# Altium PCB volt_sensor.PcbDoc (part 1 of 2)
Units mil, origin at the board's own origin, x right, y up, seen from the top; angles counter-clockwise.
Board outline 10000 x 5000 mil, 2 copper layers (Top Layer, Bottom Layer); 198 components, 109 nets, 532 pads, 65 vias.
Unrouted connection lines stored in the file: 125.
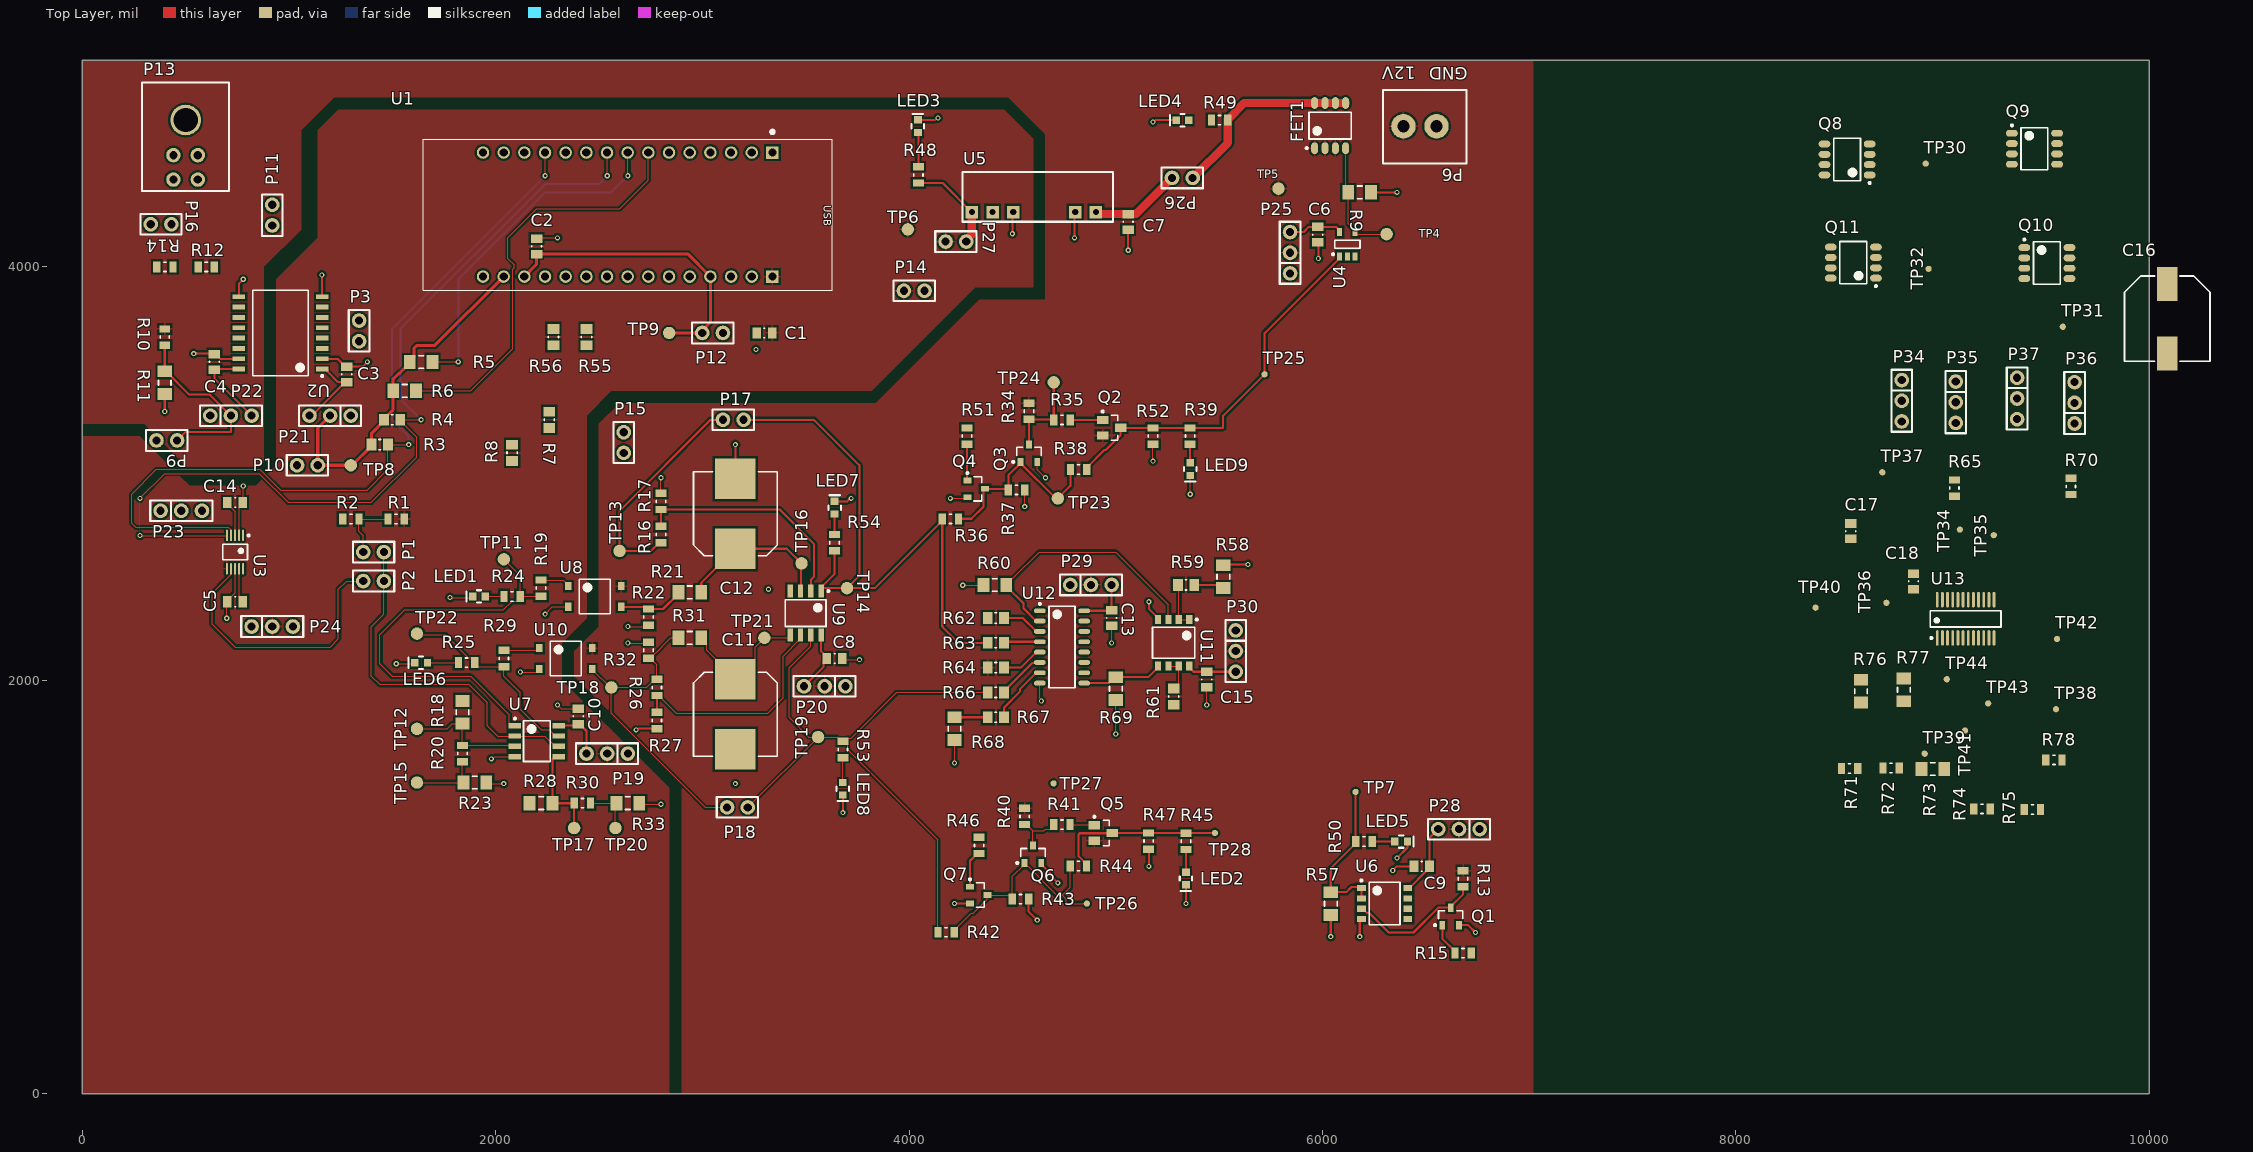
[diagram p0: Top Layer view]
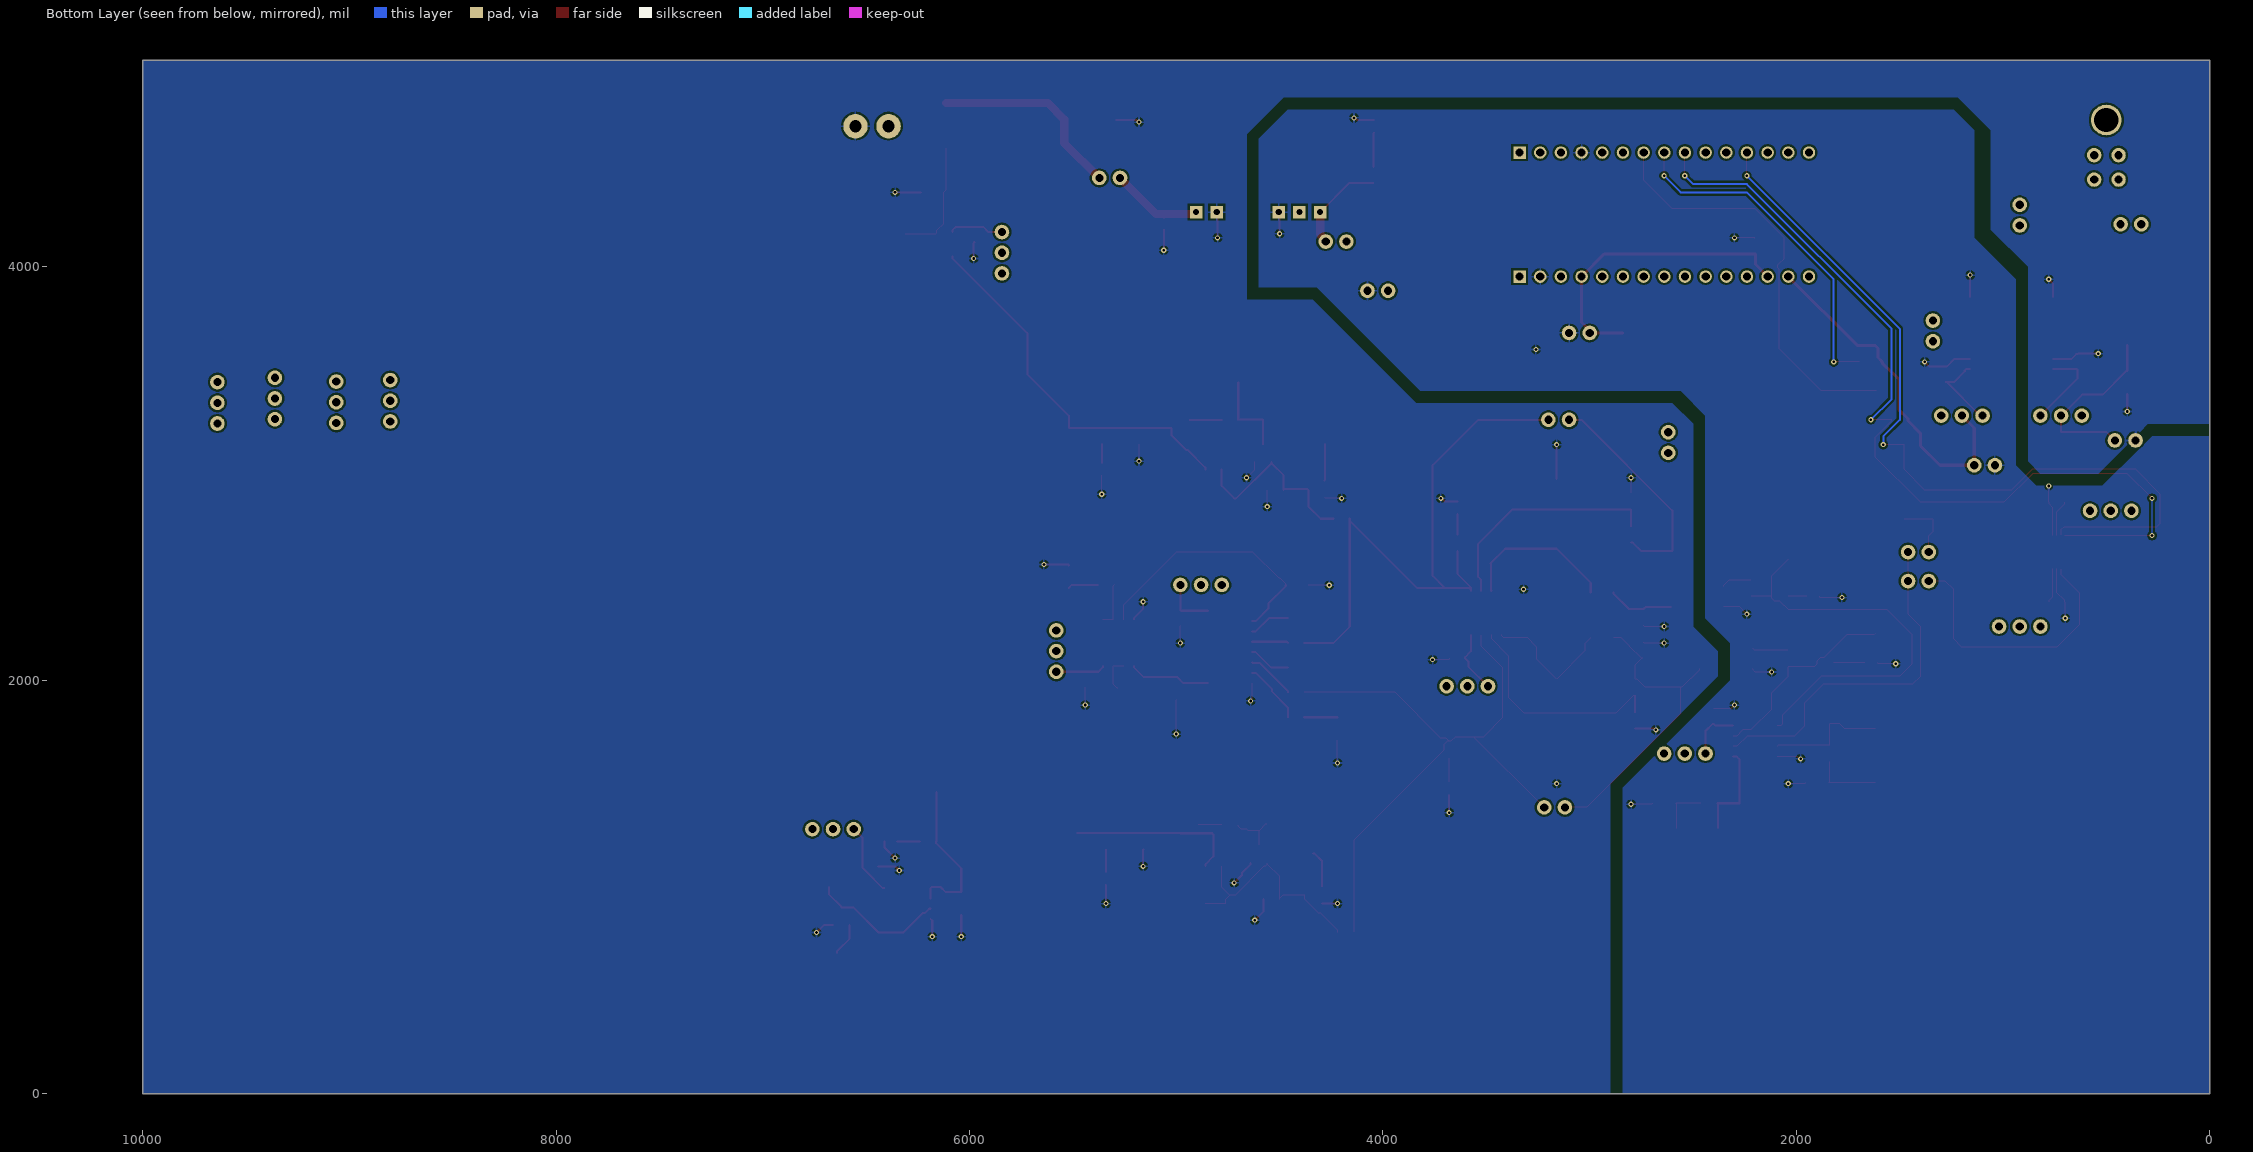
[diagram p1: Bottom Layer view, seen from below]

## Layer stack, top to bottom
Top Solder: solder mask 0.4, Solder Resist, Dk 3.5
Top Layer: signal copper 1.4
Dielectric 1: dielectric 12.6, FR-4, Dk 4.8
Bottom Layer: signal copper 1.4
Bottom Solder: solder mask 0.4, Solder Resist, Dk 3.5

## Board outline
0,0 10000,0 10000,5000 0,5000

## Design rules (kind name [scope] priority, off if disabled: settings)
Clearance [All] p1: gap=10 ignorepadtopadclearanceinfootprint=FALSE except(0: Arc-Hole Track-Hole SMDPad-Hole THPad-Hole Via-Hole Fill-Hole Poly-Hole Region-Hole Text-Hole; 7.5: SMDPad-SMDPad)
DiffPairsRouting [All] p1: maxlimit=10 minlimit=10 mostfreqgap=10 toplayer_minwidth=15 toplayer_maxwidth=15 toplayer_prefwidth=15 bottomlayer_minwidth=15 bottomlayer_maxwidth=15 bottomlayer_prefwidth=15 maxuncoupledlength=500
PolygonConnect [All] p1: connectstyle=Relief reliefconductorwidth=10 reliefentries=4 polygonreliefangle="90 Angle" airgapwidth=10
RoomDefinition latch [InComponentClass('latch')] p1: confinementstyle=ConfineIn formatcopy=TRUE lockcomponents=FALSE outline 4019.37,581.26 5940,581.26 5940,3741.26 4019.37,3741.26
RoomDefinition voltage_sense [InComponentClass('voltage_sense')] p2: confinementstyle=ConfineIn formatcopy=TRUE lockcomponents=FALSE outline 1480,2280 1480,1200 3760,1200 3760,3380 3060,3380 2300,2620 1820,2620
RoomDefinition digital [InComponentClass('digital') vs False] p3: confinementstyle=ConfineIn formatcopy=TRUE lockcomponents=FALSE outline 0,5000 0,2080 1440,2080 1440,2260 1820,2640 2300,2640 3060,3400 3800,3400 3800,5000
RoomDefinition "12V dc-dc converter" [InComponentClass('12V dc-dc converter')] p4: confinementstyle=ConfineIn formatcopy=TRUE lockcomponents=FALSE outline 6955.51,3808 3855.51,3808 3855.51,4988 6955.51,4988
RoomDefinition powerpath_controller [InComponentClass('powerpath_controller')] p5: confinementstyle=ConfineIn formatcopy=TRUE lockcomponents=FALSE outline 8274.75,1086 10384.75,1086 10384.75,5015 8274.75,5015
RoomDefinition inverter [InComponentClass('inverter')] p6: confinementstyle=ConfineIn formatcopy=TRUE lockcomponents=FALSE outline 5960,600 6920,600 6920,1640 5960,1640
RoutingVias [All] p1: holewidth=13 width=25 viastyle="Through Hole" minholewidth=13 minwidth=25 maxholewidth=28 maxwidth=50
SilkToSilkClearance [All] p1 off: silktosilkclearance=10
SilkToSolderMaskClearance [IsPad] p1 off: minsilkscreentomaskgap=10 clearancetoexposedcopper=TRUE
SolderMaskExpansion [All] p1: expansion=4 istentingtop=FALSE
Width [All] p1: maxlimit=40 minlimit=6 preferedwidth=6 bottomlayer_maxwidth=10 minimp=50.000000 maximp=50.000000 favimp=50.000000
27 further rules are at their usual default settings.

## Classes and differential pairs
component class powerpath_controller: C16 C17 C18 P34 P35 P36 P37 Q8 Q9 Q10 Q11 R65 R70 R71 R72 R73 R74 R75 R76 R77 R78 TP30 TP31 TP32 TP34 TP35 TP36 TP37 TP38 TP39 TP40 TP41 TP42 TP43 TP44 U13
component class digital: C1 C2 C3 C4 C5 C14 P1 P2 P3 P9 P10 P11 P12 P13 P15 P16 P21 P22 P23 P24 R1 R2 R3 R4 R5 R6 R7 R8 R10 R11 R12 R14 R55 R56 TP8 TP9 U1 U2 U3
component class inverter: C9 LED5 P28 Q1 R13 R15 R50 R57 TP7 U6
component class "12V dc-dc converter": C6 C7 FET1 LED3 LED4 P6 P14 P25 P26 P27 R9 R48 R49 TP4 TP5 TP6 U4 U5
component class latch: C13 C15 LED2 LED9 P29 P30 Q2 Q3 Q4 Q5 Q6 Q7 R34 R35 R36 R37 R38 R39 R40 R41 R42 R43 R44 R45 R46 R47 R51 R52 R58 R59 R60 R61 R62 R63 R64 R66 R67 R68 R69 TP23 TP24 TP25 TP26 TP27 TP28 U11 U12
component class voltage_sense: C8 C10 C11 C12 LED1 LED6 LED7 LED8 P17 P18 P19 P20 R16 R17 R18 R19 R20 R21 R22 R23 R24 R25 R26 R27 R28 R29 R30 R31 R32 R33 R53 R54 TP11 TP12 TP13 TP14 TP15 TP16 TP17 TP18 TP19 TP20 TP21 TP22 U7 U8 U9 U10
differential pair CAN: +CAN_P -CAN_N

## Components (designator, comment, footprint, x,y, rotation, side; value= is the part's Value field where it differs from the comment)
C1 "GCM21BR71A106KE22L" SMD-0805C 3300,3680 r180 top value=10µF
C2 "GCM21BR71A106KE22L" SMD-0805C 2198.39,4099.02 r90 top value=10µF
C3 "GCM21BR71A106KE22L" SMD-0805C 1280,3480 r90 top value=10µF
C4 "GCM21BR71A106KE22L" SMD-0805C 640,3540 r90 top value=10µF
C5 "GCM21BR71A106KE22L" SMD-0805C 740,2380 r180 top value=10µF
C6 "GCM21BR71A106KE22L" SMD-0805C 5977,4156 r90 top value=10µF
C7 "GCM21BR71A106KE22L" SMD-0805C 5060,4217.4 r270 top value=10µF
C8 "GCM21BR71A106KE22L" SMD-0805C 3640,2105.37 r0 top value=10µF
C9 "GCM21BR71A106KE22L" SMD-0805C 6480,1100 r180 top value=10µF
C10 "GCM21BR71A106KE22L" SMD-0805C 2400,1825.37 r90 top value=10µF
C11 "PCR1J101MCL1GS" CAPAE110103X126M 3160,1836.08 r270 top value=100µF
C12 "PCR1J101MCL1GS" CAPAE110103X126M 3160,2805.37 r90 top value=100µF
C13 "GCM21BR71A106KE22L" SMD-0805C 4980,2301.26 r270 top value=10µF
C14 "GCM21BR71A106KE22L" SMD-0805C 740,2860 r0 top value=10µF
C15 "GCM21BR71A106KE22L" SMD-0805C 5440,2003.86 r90 top value=10µF
C16 "GYB1E331MCW1GS" CAPAE110103X110N 10085.75,3749 r270 top
C17 "0.10µF" SMD-0805C 8554.75,2721 r90 top
C18 "0.10µF" SMD-0805C 8858.75,2478 r90 top
FET1 "RS3L110ATTB1" RS3L110AT 6037,4683 r90 top
LED1 "LED RED" "LED 0603 ORANGE" 1920,2405.37 r180 top
LED2 "MPS_CLOSE_MPPT" "LED 0603 ORANGE" 5339.37,1041.26 r270 top
LED3 "LED RED" "LED 0603 ORANGE" 4043,4680 r90 top
LED4 "LED RED" "LED 0603 ORANGE" 5322.51,4709 r180 top
LED5 "LED RED" "LED 0603 ORANGE" 6380.63,1220 r0 top
LED6 "LED RED" "LED 0603 ORANGE" 1640,2085.37 r180 top
LED7 "LED RED" "LED 0603 ORANGE" 3640,2834.86 r90 top
LED8 "LED RED" "LED 0603 ORANGE" 3680,1475.49 r270 top
LED9 "MPS_CLOSE_MC" "LED 0603 ORANGE" 5360,3021.26 r270 top
P1 "Header 2" "Pin Header 1x2 TH Pitch 2.54mm" 1360,2620 r0 top
P2 "Header 2" "Pin Header 1x2 TH Pitch 2.54mm" 1360,2480 r0 top
P3 "Header 2" "Pin Header 1x2 TH Pitch 2.54mm" 1340,3740 r270 top
P6 "Screw Terminal 2x1" "2POS TERM BLOCK" 6391.51,4680 r0 top
P9 "Header 2" "Pin Header 1x2 TH Pitch 2.54mm" 360,3160 r0 top
P10 "Header 2" "Pin Header 1x2 TH Pitch 2.54mm" 1040,3040 r0 top
P11 "Header 2" "Pin Header 1x2 TH Pitch 2.54mm" 920,4300 r270 top
P12 "Header 2" "Pin Header 1x2 TH Pitch 2.54mm" 3100,3680 r180 top
P13 "43045-0400" 430450400 501,4710 r180 top
P14 "Header 2" "Pin Header 1x2 TH Pitch 2.54mm" 4075,3884 r180 top
P15 "Header 2" "Pin Header 1x2 TH Pitch 2.54mm" 2620,3100 r90 top
P16 "Header 2" "Pin Header 1x2 TH Pitch 2.54mm" 332,4206 r0 top
P17 "Header 2" "Pin Header 1x2 TH Pitch 2.54mm" 3100,3260 r0 top
P18 "Header 2" "Pin Header 1x2 TH Pitch 2.54mm" 3120,1385.37 r0 top
P19 "Header 3" "Pin Header 1x3 TH Pitch 2.54mm" 2640,1645.37 r180 top
P20 "Header 3" "Pin Header 1x3 TH Pitch 2.54mm" 3692,1971.37 r180 top
P21 "Header 3" "Pin Header 1x3 TH Pitch 2.54mm" 1300,3280 r180 top
P22 "Header 3" "Pin Header 1x3 TH Pitch 2.54mm" 620,3280 r0 top
P23 "Header 3" "Pin Header 1x3 TH Pitch 2.54mm" 380,2820 r0 top
P24 "Header 3" "Pin Header 1x3 TH Pitch 2.54mm" 820,2260 r0 top
P25 "Header 3" "Pin Header 1x3 TH Pitch 2.54mm" 5843,3968 r90 top
P26 "Header 2" "Pin Header 1x2 TH Pitch 2.54mm" 5272,4430 r0 top
P27 "Header 2" "Pin Header 1x2 TH Pitch 2.54mm" 4177,4122 r0 top
P28 "Header 3" "Pin Header 1x3 TH Pitch 2.54mm" 6760,1280 r180 top
P29 "Header 3" "Pin Header 1x3 TH Pitch 2.54mm" 4780,2461.26 r0 top
P30 "Header 3" "Pin Header 1x3 TH Pitch 2.54mm" 5580,2241.26 r270 top
P34 "Header 3" "Pin Header 1x3 TH Pitch 2.54mm" 8801.75,3452 r270 top
P35 "Header 3" "Pin Header 1x3 TH Pitch 2.54mm" 9062.75,3445 r270 top
P36 "Header 3" "Pin Header 1x3 TH Pitch 2.54mm" 9637.75,3242 r90 top
P37 "Header 3" "Pin Header 1x3 TH Pitch 2.54mm" 9359.75,3463 r270 top
Q1 "MMBT100" SOTFL103P240X110-3N 6685,792.68 r90 top
Q2 "MMBT3906" FAIR-SOT23-3_V 4980,3221.26 r0 top
Q3 "MMBT100" SOTFL103P240X110-3N 4645,3033.94 r90 top
Q4 "MMBT100" SOTFL103P240X110-3N 4260,2861.26 r0 top
Q5 "MMBT3906" FAIR-SOT23-3_V 4939.37,1261.26 r0 top
Q6 "MMBT100" SOTFL103P240X110-3N 4664.37,1093.94 r90 top
Q7 "MMBT100" SOTFL103P240X110-3N 4272.05,896.26 r0 top
Q8 "RS3L110ATTB1" RS3L110AT 8537.5,4519 r180 top
Q9 "RS3L110ATTB1" RS3L110AT 9443.75,4571 r0 top
Q10 "RS3L110ATTB1" RS3L110AT 9503.75,4018 r0 top
Q11 "RS3L110ATTB1" RS3L110AT 8567.5,4020 r180 top
R1 "ERJ-6GEYJ752V" SMD-0805-RES 1519.37,2780 r0 top value=7.5k
R2 "ERJ-6ENF1332V" SMD-0805-RES 1300,2780 r180 top value=13.3k
R3 "Resistor 0R +/- 5% 0805 125 mW" RESC2013X60X35ML10T20 1440,3140 r180 top value=0
R4 "Resistor 0R +/- 5% 0805 125 mW" RESC2013X60X35ML10T20 1500,3260 r180 top value=0
R5 "ERJ-P08J103V" SMD-1206-RES 1640,3540 r180 top value=10k
R6 "ERJ-P08J103V" SMD-1206-RES 1560,3400 r180 top value=10k
R7 "Resistor 0R +/- 5% 0805 125 mW" RESC2013X60X35ML10T20 2260,3260 r270 top value=0
R8 "Resistor 0R +/- 5% 0805 125 mW" RESC2013X60X35ML10T20 2080,3100 r90 top value=0
R9 "ERJ-8ENF1002V" SMD-1206-RES 6180,4360 r180 top value=10k
R10 "ERJ-P6WJ182V" SMD-0805-RES 400,3660 r270 top value=1.8k
R11 "ERJ-8ENF1301V" SMD-1206-RES 400,3440 r270 top value=1.3k
R12 "ERJ-6ENF60R4V" SMD-0805-RES 600.63,4000 r180 top value=60.4
R13 "ERJ-P06F1001V" SMD-0805-RES 6680,1040 r270 top value=1k
R14 "ERJ-6ENF60R4V" SMD-0805-RES 400.63,4000 r0 top value=60.4
R15 "ERJ-P06F1001V" SMD-0805-RES 6680,680 r0 top value=1k
R16 "ERJ-6ENF6651V" SMD-0805-RES 2800,2705.37 r270 top value=6.65k
R17 "ERJ-6ENF1332V" SMD-0805-RES 2800,2865.37 r90 top value=13.3k
R18 "ERJ-8ENF9092V" SMD-1206-RES 1840,1845.37 r90 top value=90.9k
R19 "ERJ-P06F1001V" SMD-0805-RES 2220,2445.37 r90 top value=1k
R20 "ERJ-6GEYJ752V" SMD-0805-RES 1840,1645.37 r90 top value=7.5k
R21 "ERJ-8ENF6202V" SMD-1206-RES 2940,2425.37 r0 top value=62k
R22 "ERJ-P06F1001V" SMD-0805-RES 2740,2305.37 r90 top value=1k
R23 "ERJ-8ENF2551V" SMD-1206-RES 1900,1505.37 r180 top value=2.55k
R24 "ERJ-P06J511V" SMD-0805-RES 2080,2405.37 r0 top value=510
R25 "ERJ-P06J511V" SMD-0805-RES 1860,2085.37 r0 top value=510
R26 "ERJ-6ENF6651V" SMD-0805-RES 2780,1965.37 r90 top value=6.65k
R27 "ERJ-6ENF1332V" SMD-0805-RES 2780,1805.37 r90 top value=13.3k
R28 "ERJ-8ENF9092V" SMD-1206-RES 2220,1405.37 r180 top value=90.9k
R29 "ERJ-P06F1001V" SMD-0805-RES 2040,2105.37 r90 top value=1k
R30 "ERJ-6GEYJ752V" SMD-0805-RES 2420,1405.37 r180 top value=7.5k
R31 "ERJ-8ENF6202V" SMD-1206-RES 2940,2205.37 r0 top value=62k
R32 "ERJ-P06F1001V" SMD-0805-RES 2740,2145.37 r270 top value=1k
R33 "ERJ-8ENF2551V" SMD-1206-RES 2640,1405.37 r180 top value=2.55k
R34 "ERJ-P06F1001V" SMD-0805-RES 4580,3301.26 r90 top value=1k
R35 "ERJ-P06F1001V" SMD-0805-RES 4740,3260 r180 top value=1k
R36 "ERJ-6ENF3601V" SMD-0805-RES 4200,2781.26 r0 top value=3.6k
R37 "ERJ-6ENF3602V" SMD-0805-RES 4520,2921.26 r180 top value=36k
R38 "ERJ-P06F1001V" SMD-0805-RES 4820,3020 r180 top value=1k
R39 "ERJ-P06J511V" SMD-0805-RES 5360,3181.26 r90 top value=510
R40 "ERJ-P06F1001V" SMD-0805-RES 4559.37,1341.89 r90 top value=1k
R41 "ERJ-P06F1001V" SMD-0805-RES 4739.37,1301.26 r180 top value=1k
R42 "ERJ-6ENF3601V" SMD-0805-RES 4179.37,781.26 r0 top value=3.6k
R43 "ERJ-6ENF3602V" SMD-0805-RES 4539.37,941.26 r180 top value=36k
R44 "ERJ-P06F1001V" SMD-0805-RES 4818.74,1101.26 r180 top value=1k
R45 "ERJ-P06J511V" SMD-0805-RES 5339.37,1221.26 r90 top value=510
R46 "ERJ-P06F1001V" SMD-0805-RES 4339.37,1201.26 r90 top value=1k
R47 "ERJ-6ENF3602V" SMD-0805-RES 5159.37,1221.89 r90 top value=36k
R48 "ERJ-P06J511V" SMD-0805-RES 4045,4444.49 r270 top value=510
R49 "ERJ-P06J511V" SMD-0805-RES 5502.51,4709 r0 top value=510
R50 "ERJ-P06J511V" SMD-0805-RES 6200.63,1220 r180 top value=510
R51 "ERJ-P06F1001V" SMD-0805-RES 4280,3181.26 r90 top value=1k
R52 "ERJ-6ENF3602V" SMD-0805-RES 5180,3180.63 r90 top value=36k
R53 "ERJ-P06J511V" SMD-0805-RES 3680,1665.37 r90 top value=510
R54 "ERJ-P06J511V" SMD-0805-RES 3640,2665.37 r270 top value=510
R55 "Resistor 0R +/- 5% 0805 125 mW" RESC2013X60X35ML10T20 2440,3660 r90 top value=0
R56 "Resistor 0R +/- 5% 0805 125 mW" RESC2013X60X35ML10T20 2280,3660 r90 top value=0
R57 "ERJ-8ENF1002V" SMD-1206-RES 6040,920 r90 top value=10k
R58 "ERJ-8ENF1002V" SMD-1206-RES 5520,2501.26 r270 top value=10k
R59 "Resistor 0R +/- 5% 0805 125 mW" RESC2013X60X35ML10T20 5340,2461.26 r0 top value=0
R60 "ERJ-8ENF1002V" SMD-1206-RES 4415.12,2461.26 r0 top value=10k
R61 "Resistor 0R +/- 5% 0805 125 mW" RESC2013X60X35ML10T20 5280,1921.26 r90 top value=0
R62 "Resistor 0R +/- 5% 0805 125 mW" RESC2013X60X35ML10T20 4420,2301.26 r180 top value=0
R63 "Resistor 0R +/- 5% 0805 125 mW" RESC2013X60X35ML10T20 4420,2181.26 r180 top value=0
R64 "Resistor 0R +/- 5% 0805 125 mW" RESC2013X60X35ML10T20 4420,2061.26 r180 top value=0
R65 "10" SMD-0805-RES 9055.75,2929.37 r90 top
R66 "Resistor 0R +/- 5% 0805 125 mW" RESC2013X60X35ML10T20 4420,1941.26 r180 top value=0
R67 "Resistor 0R +/- 5% 0805 125 mW" RESC2013X60X35ML10T20 4420,1821.26 r180 top value=0
R68 "ERJ-8ENF1002V" SMD-1206-RES 4220,1766.14 r90 top value=10k
R69 "ERJ-8ENF1002V" SMD-1206-RES 5000,1960 r90 top value=10k
R70 "10" SMD-0805-RES 9619.75,2938 r90 top
R71 "1MR" SMD-0805-RES 8549.75,1573 r0 top
R72 "37.4kR" SMD-0805-RES 8750.12,1576 r180 top
R73 "73.2k" SMD-1206-RES 8951.75,1571 r180 top
R74 "1MR" SMD-0805-RES 9189.75,1378 r0 top
R75 "14.2kR" SMD-0805-RES 9433.75,1375 r180 top
R76 "3.3k" SMD-1206-RES 8604.75,1947.88 r90 top
R77 "255k" SMD-1206-RES 8811.75,1954 r90 top
R78 "80.6k" SMD-0805-RES 9537.75,1615 r180 top
TP4 "12V_OFF" "Test Point"#1 6310,4158 r0 top
TP5 "LV_12" "Test Point"#1 5787,4378 r90 top
TP6 "HV12" "Test Point"#1 3994,4181 r180 top
TP7 "LV_GND" "Test Point"#2 6160,1460 r180 top
TP8 "D3V3" "Test Point"#1 1300,3040 r90 top
TP9 "D5V" "Test Point"#1 2840,3680 r90 top
TP11 "MC_TH" "Test Point"#1 2040,2585.37 r90 top
TP12 "MC_OP" "Test Point"#1 1620,1765.37 r90 top
TP13 "MC_OPT" "Test Point"#1 2600,2625.37 r180 top
TP14 "MC_PRC" "Test Point"#1 3700,2445.37 r90 top
TP15 "MC_ADC" "Test Point"#1 1620,1505.37 r90 top
TP16 "MC_RC" "Test Point"#1 3480,2565.37 r90 top
TP17 "MPPT_OP" "Test Point"#1 2380,1285.37 r270 top
TP18 "MPPT_OPT" "Test Point"#1 2560,1965.37 r90 top
TP19 "MPPT_PRC" "Test Point"#1 3560,1725.37 r90 top
TP20 "MPPT_ADC" "Test Point"#1 2580,1285.37 r90 top
TP21 "MPPT_RC" "Test Point"#1 3300,2205.37 r90 top
TP22 "MPPT_TH" "Test Point"#1 1620,2225.37 r90 top
TP23 "MC_LT_I" "Test Point"#1 4720,2880 r90 top
TP24 "MC_LT_D" "Test Point"#1 4700,3441.26 r90 top
TP25 "MC_CL" "Test Point"#2 5720,3480 r90 top
TP26 "MPPT_LT_I" "Test Point"#2 4860,920 r90 top
TP27 "MPPT_LT_D" "Test Point"#2 4699.37,1501.26 r90 top
TP28 "MPPT_CL" "Test Point"#2 5479.37,1261.26 r90 top
TP30 "TP" "Test Point"#2 8917.75,4499 r180 top
TP31 "TP" "Test Point"#3 9582,3710 r180 top
TP32 "TP" "Test Point"#2 8931.75,3990 r180 top
TP34 "TP" "Test Point"#2 9082.75,2729 r180 top
TP35 "TP" "Test Point"#2 9246.75,2702 r180 top
TP36 "TP" "Test Point"#2 8727.75,2375 r180 top
TP37 "TP" "Test Point"#2 8707.75,3006 r180 top
TP38 "TP" "Test Point"#2 9547.75,1860 r180 top
TP39 "TP" "Test Point"#2 8912.75,1645 r180 top
TP40 "TP" "Test Point"#2 8384.75,2351 r180 top
TP41 "TP" "Test Point"#2 9107.75,1757 r180 top
TP42 "TP" "Test Point"#2 9552.75,2200 r180 top
TP43 "TP" "Test Point"#2 9219.75,1888 r180 top
TP44 "TP" "Test Point"#2 9019.75,2005 r180 top
U1 "NUCLEO-L432KC" NUCLEO-L432KC 3339.37,4552.6 r270 top
U2 "ISO1050DWR" "IL 41050TE" 960,3680 r180 top
U3 "DS3502U+T&R" MAXM-U10+2_L 740,2620 r270 top
U4 "BU4S81G2-TR" BU4S81G2 6120,4109 r90 top
U5 "TMV1212S" TMV1212S-Footprint-1 4622.51,4338 r180 top
U6 "LM4565F-GE2" SOP127P620X150-8N 6300,920 r0 top
U7 "TL072CDR" SOP127P600X175-8N 2200,1705.37 r0 top
U8 "IS181D" IS181D 2480,2405.37 r0 top
U9 "TL072CDR" SOP127P600X175-8N 3500,2325.37 r270 top
U10 "IS181D" IS181D 2340,2105.37 r0 top
U11 "LM4565F-GE2" SOP127P620X150-8N 5280,2181.26 r270 top
U12 "MC14043BDR2G" SOIC127P600X135-16N 4740,2161.26 r0 top
U13 "LTC4417HGN#PBF" LT-GN-24_L 9110.72,2297.19 r90 top
